# Altium PCB PCB2.PcbDoc (part 2 of 3)
Units mm, origin at the board's own origin, x right, y up, seen from the top; angles counter-clockwise.
Board outline 130.78 x 147.07 mm, 2 copper layers (Top Layer, Bottom Layer), stack 1.571 mm thick; 184 components, 114 nets, 619 pads, 1163 vias.
Unrouted connection lines stored in the file: 1.
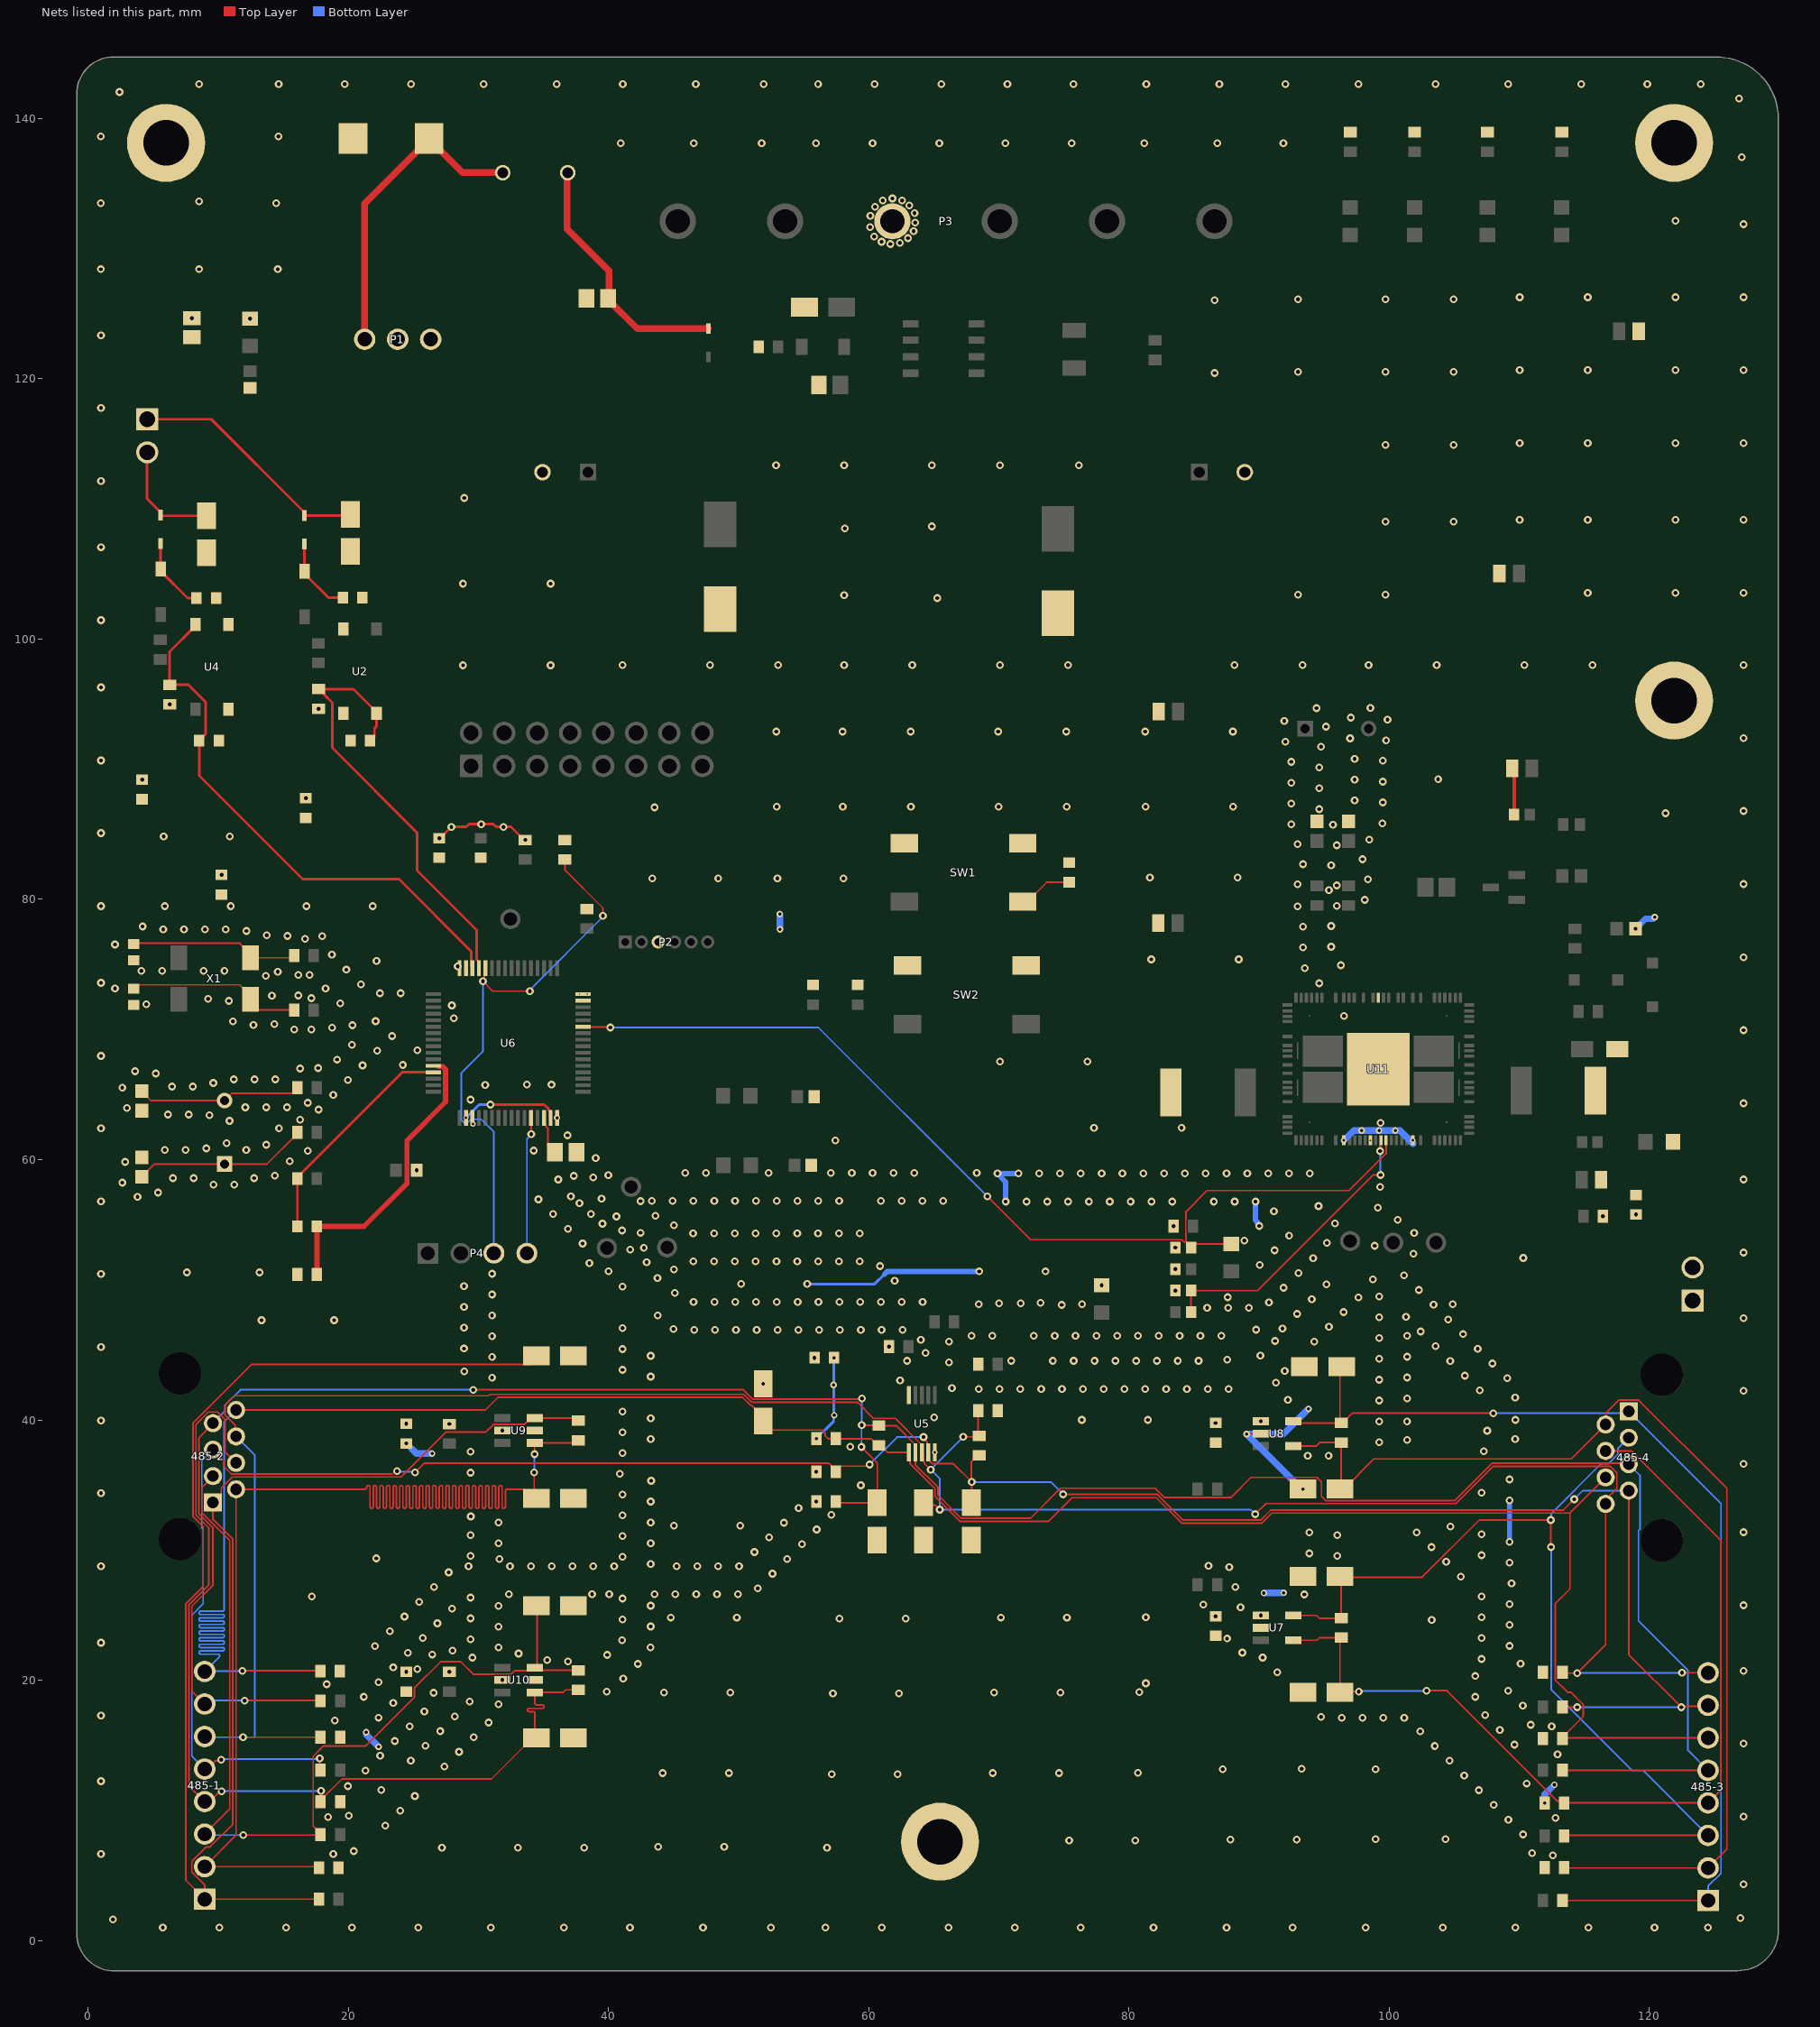
[diagram p2: the nets of this part, all layers, seen from the top]

## Part data (continued)
SW1 SW2: library part CMP-03402-000005-1, "SWITCH TACTILE SPST-NO 0.05A 24V", Contact Current Rating=50mA, Contact Resistance=100mΩ, Manufacturer="TE Connectivity", Manufacturer Part Number=1571563-9, Operating Force=160gf, Package=SMT_SW_6MM0_6MM0, Temperature="-35°C to +85°C", Temperature Range High=+85°C, Temperature Range Low=-35°C, Voltage Rating Dc=24V, Automotive=No, Category=Switch, ComponentLink2Description=Datasheet, ComponentLink2URL=https://www.te.com/commerce/DocumentDelivery/DDEController?Action=showdoc&DocId=Customer+Drawing%7F2-1437565-7%7FV%7Fpdf%7FEnglish%7FENG_CD_2-1437565-7_V.pdf%7F1571563-9, Device Class L1=Electromechanical, Device Class L2=Switches, Device Class L3="Pushbutton Switches", Digikey Description="SWITCH TACTILE SPST-NO 0.05A 24V", Electromechanical Life=100000Cycles, Height=9.75mm, Lead Free=Yes, Mount="Surface Mount", Mouser Description="Tactile Switches SPST OFF(ON) RND SMT MINI PB TACT SWITCH", Octopart=https://octopart.com/1571563-9-te+connectivity-41253969, RoHS=TRUE, Standoff Height=0.05mm, Throw Configuration=SPST-NO
TP1 TP2 TP3 TP4 TP5 TP6 TP7: library part CMP-2000-05182-1, "Test Point, White, 1-Pin THD, RoHS, Bulk", Color=White, Manufacturer=KeystoneElectronics, Brand=KeystoneElectronics, Contact Material=PhosphorBronze, Datasheet URL=https://ciiva.com/datasheet-click-2917627?src=ciiva&sig=bd195616, Datasheet Version="Rev. G, 12/2008", Length=7.62mm, Manufacturer URL=http://www.keyelco.com/, Material=Nylon, Mounting Hole Size=1mm, Outside Diameter=2.54mm, Packaging=Bulk, Plating=Silver, Product=TestPoints, Product Category=CircuitBoardHardware-PCB, RoHS=True, Type=Miniature
U1 U3: "Diode", Manufacturer_Name="ON Semiconductor", Mouser Part Number=863-NSI50010YT1G, Arrow Part Number=NSI50010YT1G, Arrow Price/Stock=https://www.arrow.com/en/products/nsi50010yt1g/on-semiconductor, Datasheet Link=http://www.onsemi.com/pub/Collateral/NSI50010Y-D.PDF, Height=1.35mm, Manufacturer_Part_Number=NSI50010YT1G, Mouser Price/Stock=https://www.mouser.co.uk/ProductDetail/ON-Semiconductor/NSI50010YT1G?qs=dubiLKbpNDpeXNVeIAV4bg%3D%3D
U2 U4: library part CMP-2000-07401-1, "Low Input Current, Phototransistor Output, 80 V, 170 mW, -55 to 110 degC, 4-Pin SOP, RoHS, Tape and Reel", Current - DC Forward (If) (Max)=60mA, Current - Output / Channel=50mA, Current Transfer Ratio (Max)=200%@1mA, Current Transfer Ratio (Min)=100%@1mA, Manufacturer=Vishay, Operating temperature=-55°C~110°C, Package / Case=4-SMD,GullWing, Package Description="4-Pin Small Outline Package Integrated Circuit, Body 4.4 x 3.85 mm, Pitch 2.54 mm", Package Reference=SOP-4, Standard Package=1, Supplier Device Package=4-SOP(2.54mm), Voltage - Forward (Vf) (Typ)=1.1V, Voltage - Isolation=3750Vrms, Voltage - Output (Max)=80V, Category=Isolators, Datasheet URL=http://download.siliconexpert.com/pdfs/2016/3/15/21/48/34/980/vsh_/manual/832624671428055vom618a.pdf, Datasheet Version="Rev. 1.4, 10/2013", Family=Optoisolators-Transistor,PhotovoltaicOutput, Input Type=DC, Manufacturer URL=http://www.vishay.com/, Mounting Technology=SurfaceMount, Mounting Type=SurfaceMount, Number of Channels=1, Online Catalog=VOM617A,VOM618ASeries, Other Names=VOM618A-3CT, Output Type=Transistor, Packaging=CutTape(CT), Rise / Fall Time (Typ)=5µs,4µs, Series=-, Turn On / Turn Off Time (Typ)=7µs,6µs, Vce Saturation (Max)=400mV
U5: library part SN65HVD70DGS, "Integrated Circuit", Manufacturer_Name="Texas Instruments", Mouser Part Number=595-SN65HVD70DGS, Arrow Part Number=SN65HVD70DGS, Arrow Price/Stock=https://www.arrow.com/en/products/sn65hvd70dgs/texas-instruments, Datasheet Link=http://www.ti.com/lit/gpn/SN65HVD70, Height=1.1mm, Manufacturer_Part_Number=SN65HVD70DGS, Mouser Price/Stock=https://www.mouser.co.uk/ProductDetail/Texas-Instruments/SN65HVD70DGS?qs=7z%252BmIopC6%2FJ5%2FtvmaE7XLg%3D%3D
U6: library part CMP-12105-000004-1, "IC MCU 32BIT 512KB FLASH 64LQFP", Ambient Temperature Range High=+85°C, Ambient Temperature Range Low=-40°C, Frequency=84MHz, Manufacturer=STMicroelectronics, Max Junction Temp=+105°C, Max Supply Voltage=3.6V, Min Supply Voltage=1.65V, Package=LQFP64-5W, Temperature="-40°C to +105°C", Automotive=No, Category=IC, ComponentLink2Description=Datasheet, ComponentLink2URL=https://www.st.com/resource/en/datasheet/stm32f401re.pdf, Core Architecture="ARM Cortex-M4", Data Bus Width=32bits, Device Class L1="Integrated Circuits (ICs)", Device Class L2="Embedded Processors and Controllers", Device Class L3=Microcontrollers, Digikey Description="IC MCU 32BIT 512KB FLASH 64LQFP", Height=1.6mm, Interface=I2C,SPI,USART,USB,IrDA,I2S,SMBus,Other, Ipc Land Pattern Name=QFP50P1200X1200X160-64, Lead Free=Yes, Manufacturer Part Number=STM32F401RET6, Memory Size=512KBytes, Memory Type=FLASH, Mouser Description="ARM Microcontrollers - MCU 16/32-BITS MICROS", Number Of A/D Converters=1, Number Of Adc Channels=12, Number Of Cores=1, Number Of I2C Channels=3, Number Of I/Os=50, Number Of Pwm Channels=23, Number Of Spi Channels=3, Number Of Timers/Counters=8, Number Of Uart Channels=3, Number Of Usb Channels=1, Octopart=https://octopart.com/stm32f401ret6-stmicroelectronics-34185993, Ram Size=96KBytes, RoHS=TRUE, Standoff Height=0.05mm, Temperature Range High=+105°C, Temperature Range Low=-40°C
U7 U8: library part MAX3280EAUK_V+T, "Integrated Circuit", Manufacturer_Name="Maxim Integrated", Manufacturer_Part_Number=MAX3280EAUK/V+T, Mouser Part Number=700-MAX3280EAUK/V+T, Datasheet Link=https://datasheets.maximintegrated.com/en/ds/MAX3280E-MAX3284E.pdf, Height=1.45mm, Mouser Price/Stock=https://www.mouser.co.uk/ProductDetail/Maxim-Integrated/MAX3280EAUK-V%2bT?qs=0JU57JYmZjvEM6QBFAG%2FBw%3D%3D
U9 U10: library part MAX3293AUT+T, "Integrated Circuit", Manufacturer_Name="Maxim Integrated", Mouser Part Number=700-MAX3293AUTT, Datasheet Link=https://datasheets.maximintegrated.com/en/ds/MAX3293-MAX3295.pdf, Height=1.45mm, Manufacturer_Part_Number=MAX3293AUT+T, Mouser Price/Stock=https://www.mouser.co.uk/ProductDetail/Maxim-Integrated/MAX3293AUT%2bT?qs=CDqwynd4ZNpM6TG1t4AcuA%3D%3D
X1: library part CMP-2000-05036-1, "Low Frequency Crystal, 32.768 KHz, 6 pF, +/- 20 ppm, -40 to 85 degC, 4-Pin SMD, RoHS, Tape and Reel", Case Height=2.5mm, Case Length=8mm, Case Width=3.8mm, Frequency=32.768kHz, Load Capacitance=6pF, Manufacturer=Abracon, Operating Temperature Range=-40Cto+85C, Package / Case=8mmx3.8mm, Package Description="4-Pin Surface Mount Device, Body 8 x 3.8 mm, Pitch 5.5 mm", Package Reference=ABS25, Tolerance=20PPM, Brand=ABRACON, Datasheet URL=https://datasheet.ciiva.com/854/abs25-854528.pdf, Datasheet Version=Jun-17, Dimensions=3.8mmWx8mmLx2.5mmH, ESR=50kOhms, Factory Pack Quantity=3000, Manufacturer URL=http://www.abracon.com/, Mounting Style=SMD/SMT, Packaging=Reel, Product Category=Crystals, RoHS=Details, Series=ABS25, Termination Style=SMD/SMT, Type=LowFrequencyCrystal
X2 X3: library part CMP-1749-00003-1, "Resistance Weld Thru-Hole Crystal, 16 MHz, -20 to 70 degC, 2-Pin THD, RoHS, Bulk", Case\Package=Axial, Max Operating Temperature="155 degC", Min Operating Temperature="-55 degC", Package Quantity=200, Power Rating="250 mW", Resistance="221 kohm", Tolerance=1%, Voltage Rating="250 V", ComponentLink1Description="Manufacturer URL", ComponentLink1URL=http://www.foxonline.com/, ComponentLink2Description=Datasheet, ComponentLink2URL=http://www.foxonline.com/pdfs/hc49slf.pdf, DatasheetVersion=Mar-15, Length="0.248 inch", Mount="Through Hole", PackageDescription="2-Pin Through Hole Device, Body 11.35 x 4.65 mm", PackageReference=FOXSLF160-20, Packaging=Bulk, RoHSCompliant=true

## Free pads (board coordinates)
  round 6 hole 3.5: FX(5.994,138.125) FX(65.481,7.595) FX(121.895,95.272) FX(121.895,138.125)

## Via types
v1: diameter 0.6, hole 0.3, Top Layer to Bottom Layer, tented both sides, 1131 vias
v2: diameter 0.5, hole 0.25, Top Layer to Bottom Layer, tented both sides, 24 vias
v3: diameter 0.4, hole 0.2, Top Layer to Bottom Layer, tented both sides, 5 vias
v4: diameter 0.2, hole 0.1, Top Layer to Bottom Layer, tented both sides, 2 vias
v5: diameter 0.3, hole 0.125, Top Layer to Bottom Layer, tented both sides, 1 vias

## Nets (pads, with @x,y where several pads share a name; then routed paths per layer and width w, separated by ;. In a path a pad name is that pad's centre, name@x,y a point inside that pad or via, vN(x,y) a via of type N, cw(c..) or ccw(c..) an arc to the next point about the centre after c; other vN are vias at no path point)
+3.3V: C6.2 C8.1 C9.2 C16.2 C17.2 C19.1 C20.2 C21.2 C22.2 C24.2 C39.2 D7.2 D29.2 FB1.1 P1.3 P7.1 R2.2 R4.2 R7.1 R11.2 R12.2 R25.1 R26.1 R28.2 R37.1 R41.2 R45.1 R46.1 R47.1 U5.10 U6.19 U6.32 U6.48 U6.64 U7.1 U8.1 U9.2 U10.2 U11.13 | length 7.6
  Top Layer w0.203: v1(27,84.697) 27.05,84.697 v1(27.926,85.573) 29.07,85.573 29.273,85.776 31.154,85.776 31.358,85.573 32.502,85.573 33.504,84.57 v1(33.604,84.57)
  other v1: 31.846,20.015 24.46,20.638 27.762,20.638 86.665,24.905 90.134,24.978 55.968,33.731 55.968,36.017 31.846,39.192 24.46,39.7 27.762,39.688 86.665,39.764 90.134,39.898 55.829,44.78 61.556,45.644 83.576,49.936 77.902,50.351 83.576,51.587 83.576,53.238 83.426,54.889 116.422,55.651 118.974,55.79 25.26,59.182 28.416,74.845 10.262,81.878 31.93,85.573 30.214,85.776 16.739,87.77 4.166,89.193 17.729,94.652 6.274,94.983 12.446,124.621 7.976,124.652
  other v2: 36.045,63.216
  other v3: 65.084,37.5 29.595,62.738
  other v4: 37.77,72.72 38.379,72.72
  other v5: 98.562,61.479
AGND: C23.2 R19.2 U6.12 | length 22.6
  Top Layer w0.4: R19.2@17.59,51.181 C23.2@17.59,54.864 21.209,54.864 24.51,58.165 24.51,61.455 27.484,64.429 27.484,66.952 27.269,67.166 U6.12@26.945,67.166
AVDD: C23.1 R21.2 U6.13 | length 17.6
  Top Layer w0.203: C23.1@16.09,54.864 16.09,58.647 24.159,66.716 U6.13@26.545,66.716
BOOT0: P4.3 R18.2 U6.60 | length 42.2
  Top Layer w0.127: U6.60@30.545,74.716 30.545,74.266 30.459,74.179 30.459,73.932 30.356,73.83 v1(30.356,73.702) 31.109,72.949 v1(33.96,72.949) ; R18.2@36.652,83.07 36.652,82.261 39.573,79.34 v1(39.573,78.74)
  Bottom Layer w0.127: v1(30.356,73.702) 30.356,68.322 28.682,66.648 28.682,63.065 28.895,62.852 29.196,62.852 29.445,63.101 30.213,63.101 31.191,62.123 P4.3@31.191,53.061 ; v1(33.96,72.949) 33.96,73.038 39.573,78.651 v1(39.573,78.74)
BOOT1: P4.4 U6.28 | length 10.3
  Top Layer w0.127: U6.28@34.045,63.216 34.053,63.208 34.053,61.959 v1(34.061,61.951)
  Bottom Layer w0.127: P4.4@33.731,53.061 33.731,61.587 34.061,61.917 v1(34.061,61.951)
BUSY: R47.2 R48.2 U11.15 | length 22.6
  Top Layer w0.127: R48.2@84.776,48.285 R47.2@84.776,49.936 89.877,49.936 98.774,58.833 99.332,58.833 v1(99.339,58.826) ; v1(99.298,60.655) 99.33,60.687 99.33,61.448 U11.15@99.362,61.479
  Bottom Layer w0.127: v1(99.298,60.655) 99.319,60.635 99.319,58.847 v1(99.339,58.826)
FLAG: D28.1 R45.2 U6.43 U11.16 | length 77.7
  Top Layer w0.127: U6.43@38.045,70.216 38.076,70.185 40.101,70.185 v1(40.132,70.155) ; v1(69.113,57.175) 72.437,53.852 84.043,53.852 84.218,53.677 R45.2@84.387,53.677 ; R45.2@84.538,53.526 D28.1@87.859,53.526 ; R45.2@84.776,53.238 84.513,53.501 84.513,53.551 R45.2@84.387,53.677 ; U11.16@99.762,61.479 99.762,60.463 96.923,57.624 86.001,57.624 84.387,56.01 84.387,55.482 84.362,55.457 84.362,54.322 84.387,54.297 R45.2@84.387,53.677
  Bottom Layer w0.127: v1(40.132,70.155) 56.134,70.155 v1(69.113,57.175)
GND: C1.1 C2.1 C3.1 C4.1 C5.2 C6.1 C7.2 C8.2 C9.1 C10.1 C11.2 C12.2 C13.1 C14.1 C15.2 C16.1 C17.1 C18.1 C19.2 C20.1 C21.1 C22.1 C24.1 C25.2 C26.2 C27.2 C28.2 C29.2 C30.2 C31.2 C32.2 C33.1 C36.1 C37.1 C38.1 C39.1 C40.1 C41.2 C42.1 C43.1 C44.2 D1.1 D3.1 D5.2 D8.1 D9.1 D10.1 D11.1 D14.1 D15.1 D16.1 D17.1 D18.1 D19.1 D27.1 D30.1 D31.1 P1.2 P2.3 P3.4 P7.2 pad.FX R5.1 R6.2 R10.1 R13.1 R18.1 R19.1 R20.2 R22.2 R23.1 R29.2 R30.2 R31.2 R32.2 R34.1 R50.1 R57.2 R61.1 R62.2 R64.1 R65.1 R66.1 R67.1 R68.1 R69.1 R70.1 SW1.1 SW1.2 SW2.1 SW2.2 U2.2 U2.3 U4.2 U4.3 U5.5 U6.18 U6.31 U6.47 U6.63 U7.2 U8.2 U9.5 U10.5 U11.8 U11.21 U11.59 U11.EPAD9 | length 69.9
  Top Layer w0.127: v1@8.534,128.46 v1@8.572,128.422 ; v1@14.541,128.422 v1@14.58,128.384 ; v2(89.052,38.913) 89.088,38.948 U8.2@90.134,38.948
  Top Layer w0.203: v1(30.917,64.229) 35.068,64.229 35.397,63.899 35.397,63.815 35.497,63.714 35.497,63.264 U6.31@35.545,63.216
  Top Layer w0.3: C33.1@109.461,90.068 109.611,89.918 R34.1@109.611,86.512
  Bottom Layer w0.203: v3(29.045,63.216) 30.058,64.229 v1(30.917,64.229) ; v2(53.162,78.867) v2@53.175,78.854 ; v2@53.175,77.711 v2(53.188,77.699) ; v1(55.27,50.447) 60.455,50.447 61.214,51.206 ; v2(55.968,38.557) 57.296,39.885 57.296,40.304 v2(57.353,40.361) 57.328,40.386 57.328,42.672 v2(57.302,42.697) 57.316,42.711 57.316,44.767 v2(57.329,44.78) ; v2(90.373,26.695) v2@90.386,26.708 ; v2@91.885,26.708 v2(91.897,26.721)
  Bottom Layer w0.4: 61.214,51.206 61.42,51.412 v1(68.504,51.412) ; v1(70.526,56.782) 70.526,58.291 69.899,58.918 v1(69.899,58.937) v1(71.499,58.937) ; v1(89.726,56.782) 89.726,55.358 89.865,55.22 89.865,55.112 90.013,54.964 v1(90.013,54.91) ; v1(109.256,30.627) v1(109.256,33.827)
  Bottom Layer w0.508: v2(21.373,16.005) 21.373,15.838 v2(22.327,14.884) ; v2(24.46,38.2) 25.246,37.414 v2(26.441,37.414) ; v2@53.175,77.711 v2@53.175,78.854 ; v2(89.052,38.913) v2@89.116,38.913 ; v2@90.386,26.708 v2@91.885,26.708 ; v2(93.368,34.696) 93.311,34.753 93.212,34.753 89.116,38.849 v2@89.116,38.913 ; v2(93.802,40.843) 91.872,38.913 v2@89.116,38.913 ; v3(96.512,61.479) 97.275,62.243 100.825,62.243 101.829,61.239 ; v2(111.95,10.566) 111.95,11.213 v2(112.7,11.963) ; v2(118.937,77.749) 119.699,78.511 120.294,78.511 v2(120.407,78.624)
  other v1: 5.74,1 10.084,1 15.215,1 20.295,1 25.375,1 30.963,1 36.576,1 41.656,1 47.269,1 52.486,1 56.667,1 61.011,1 66.142,1 71.222,1 76.302,1 81.89,1 87.503,1 92.583,1 98.196,1 104.115,1 109.703,1 115.316,1 120.396,1 124.511,1 1.905,1.626 127,1.727 127.229,4.318 112.567,6.546 18.844,6.636 1,6.655 110.975,6.707 20.427,6.873 27.202,7.123 33.044,7.123 38.124,7.123 56.793,7.123 43.814,7.199 48.894,7.199 75.412,7.682 80.492,7.682 87.807,7.758 92.887,7.758 98.955,7.78 104.339,7.78 110.297,8.156 22.855,8.835 109.166,9.287 112.782,9.43 18.451,9.492 127.229,9.525 20.048,9.595 23.986,9.966 108.034,10.418 25.118,11.097 22.54,11.567 106.903,11.55 19.968,11.861 110.578,12.064 1,12.243 105.771,12.681 57.149,12.787 62.229,12.787 44.17,12.863 49.25,12.863 69.544,12.863 74.624,12.863 80.692,12.886 21.317,13.069 87.197,13.168 98.955,13.165 93.265,13.191 27.381,13.36 24.803,13.83 104.64,13.813 22.448,14.201 112.942,14.311 28.512,14.491 103.509,14.944 25.934,14.961 109.636,15.051 127.229,15.138 23.58,15.332 29.643,15.623 102.377,16.075 27.066,16.092 108.505,16.182 24.711,16.463 112.486,16.459 110.891,16.58 30.775,16.754 18.971,16.906 22.325,17.125 96.357,17.11 97.957,17.11 99.557,17.11 101.157,17.11 94.758,17.181 28.197,17.224 1,17.275 107.374,17.314 25.843,17.595 110.275,18.057 31.557,18.15 23.457,18.256 29.328,18.355 21.197,18.72 106.619,18.725 57.251,18.985 62.331,18.985 26.547,19.031 44.271,19.061 49.351,19.061 69.646,19.061 74.726,19.061 80.794,19.083 39.876,19.127 109.143,19.188 18.346,19.698 81.303,19.761 22.329,19.852 41.128,20.123 106.619,20.325 91.406,20.607 127.229,20.726 25.317,20.847 23.46,20.983 42.259,21.255 110.098,21.281 36.876,21.441 35.28,21.556 107.106,21.639 29.528,21.742 90.275,21.738 39.906,21.949 26.45,21.977 33.088,22.052 24.591,22.114 88.721,22.118 28.021,22.279 31.557,22.518 43.227,22.529 22.062,22.632 109.256,22.642 1,22.889 41.037,23.08 29.403,23.15 87.543,23.201 25.723,23.246 107.101,23.239 23.193,23.763 31.557,24.118 43.241,24.129 109.256,24.242 26.854,24.377 103.274,24.638 41.087,24.68 29.403,24.75 57.76,24.742 62.84,24.742 44.78,24.819 49.86,24.819 70.155,24.819 75.235,24.819 81.303,24.841 107.101,24.839 24.324,24.895 27.985,25.509 88.572,25.603 31.557,25.718 43.241,25.729 127.229,25.759 85.709,25.823 109.256,25.842 25.456,26.026 41.087,26.28 29.403,26.35 17.196,26.441 107.101,26.439 93.474,26.596 32.341,26.609 38.741,26.609 40.056,26.619 43.541,26.609 45.141,26.609 46.741,26.609 48.341,26.609 49.941,26.609 51.476,27.06 26.587,27.158 88.188,27.156 109.409,27.434 105.514,27.964 52.607,28.191 27.718,28.289 87.711,28.683 1,28.753 29.247,28.763 32.434,28.763 34.034,28.763 35.634,28.763 37.234,28.763 38.834,28.763 40.434,28.763 45.234,28.763 46.834,28.763 48.434,28.763 50.034,28.763 86.116,28.803 43.241,28.929 109.256,29.027 104.382,29.095 31.623,29.312 53.738,29.322 22.149,29.362 41.087,29.48 29.403,29.55 96.023,29.544 107.101,29.608 93.868,29.746 51.213,29.844 103.251,30.226 54.87,30.454 31.557,30.518 43.241,30.529 52.345,30.976 41.087,31.08 29.403,31.15 96.023,31.144 107.101,31.208 93.868,31.346 102.12,31.358 127.229,31.372 56.001,31.585 104.717,31.807 45.034,31.88 50.114,31.88 31.557,32.118 53.476,32.107 43.241,32.129 29.413,32.588 41.087,32.68 57.133,32.716 54.607,33.239 43.241,33.729 41.087,34.28 1,34.366 107.101,34.408 59.395,34.979 43.278,35.328 109.256,35.427 40.866,35.864 29.403,35.95 127.229,36.627 95.341,37.239 93.741,37.258 41.087,37.449 29.403,37.55 107.266,37.599 58.572,37.948 99.227,38.291 101.382,38.457 43.241,38.528 109.688,38.525 41.087,39.049 107.533,39.177 101.371,39.878 99.227,39.891 1,39.954 76.378,40.005 81.458,40.005 109.703,40.005 43.241,40.128 65.021,40.192 41.087,40.649 99.227,41.491 92.22,41.543 101.382,41.657 109.688,41.725 127.229,42.24 106.956,42.269 68.454,42.388 70.054,42.388 71.654,42.388 73.254,42.388 74.854,42.388 76.454,42.388 78.054,42.388 79.654,42.388 81.254,42.388 82.854,42.388 84.454,42.388 86.054,42.388 87.654,42.388 66.396,42.443 91.306,42.857 62.406,43.038 99.227,43.091 109.072,43.201 31.051,43.236 101.382,43.257 43.241,43.328 105.825,43.401 28.905,43.739 91.972,43.763 41.087,43.849 107.94,44.332 66.162,44.423 104.693,44.532 62.954,44.541 70.954,44.543 74.154,44.543 75.754,44.543 77.354,44.543 78.954,44.543 80.554,44.543 82.154,44.543 83.754,44.543 85.354,44.543 87.546,44.637 99.227,44.691 31.051,44.836 101.382,44.857 43.241,44.928 90.103,44.942 64.364,45.161 41.087,45.449 106.809,45.464 28.896,45.486 1,45.596 103.562,45.663 66.162,46.023 94.235,46.026 91.235,46.073 64.007,46.156 99.227,46.291 31.051,46.436 77.494,46.461 79.094,46.461 80.694,46.461 82.294,46.461 83.894,46.461 85.494,46.461 87.094,46.461 101.382,46.457 67.894,46.471 69.494,46.471 72.694,46.471 74.294,46.471 75.894,46.471 105.677,46.595 102.431,46.795 46.594,46.908 48.194,46.908 49.794,46.908 51.394,46.908 52.994,46.908 54.594,46.908 56.194,46.908 57.794,46.908 59.394,46.908 60.994,46.908 62.594,46.908 89.764,46.939 44.996,46.979 91.795,47.015 41.087,47.049 28.896,47.086 95.366,47.157 13.332,47.66 18.92,47.66 104.546,47.727 127.229,47.828 99.227,47.891 101.299,47.926 31.051,48.036 43.791,48.031 92.926,48.147 96.497,48.289 86.014,48.615 87.614,48.615 89.214,48.615 28.896,48.686 74.828,48.844 103.415,48.858 68.453,48.895 76.403,48.895 104.874,48.895 70.028,48.971 71.679,48.971 73.203,48.997 90.76,49.027 46.54,49.063 48.14,49.063 49.74,49.063 51.34,49.063 52.94,49.063 54.54,49.063 56.14,49.063 57.74,49.063 59.34,49.063 60.94,49.063 62.54,49.063 64.14,49.063 94.058,49.278 87.594,49.437 97.629,49.42 99.227,49.491 31.051,49.636 45.102,49.766 102.283,49.989 91.891,50.159 41.087,50.249 28.896,50.286 95.189,50.409 50.19,50.447 61.998,50.689 98.755,50.8 43.764,50.902 101.152,51.121 1,51.21 31.051,51.236 93.023,51.29 7.591,51.343 13.179,51.343 73.584,51.412 40.009,51.431 45.036,51.563 60.867,51.82 90.052,51.901 38.53,52.042 42.929,52.111 46.509,52.186 48.109,52.186 49.709,52.186 51.309,52.186 52.909,52.186 54.509,52.186 56.109,52.186 57.709,52.186 59.309,52.186 94.154,52.421 110.309,52.451 101.876,52.779 127.229,52.861 91.183,53.033 41.66,53.086 42.719,53.237 98.889,53.383 38.012,53.556 95.221,53.614 88.882,53.779 92.315,54.164 46.505,54.341 48.105,54.341 49.705,54.341 51.305,54.341 52.905,54.341 54.505,54.341 56.105,54.341 57.705,54.341 59.305,54.341 42.469,54.381 101.921,54.378 41.047,54.564 36.88,54.687 45.032,54.966 39.533,55.082 95.83,55.093 100.664,55.368 40.608,55.633 43.603,55.685 35.749,55.818 38.659,55.829 91.145,56.042 99.129,56.304 94.577,56.427 37.769,56.646 1,56.798 72.126,56.782 73.726,56.782 75.326,56.782 76.926,56.782 78.526,56.782 80.126,56.782 81.726,56.782 83.326,56.782 86.526,56.782 88.126,56.782 42.471,56.817 43.327,56.835 44.927,56.835 46.527,56.835 48.127,56.835 49.727,56.835 51.327,56.835 52.927,56.835 54.527,56.835 56.127,56.835 57.727,56.835 60.927,56.835 62.527,56.835 64.127,56.835 65.727,56.835 34.618,56.95 39.472,56.998 3.806,57.152 37.109,57.175 5.373,57.473 99.303,57.895 11.244,58.075 9.644,58.087 2.632,58.239 36.139,58.476 127.229,58.474 6.523,58.586 8.123,58.586 12.76,58.586 38.837,58.623 37.338,58.75 14.348,58.776 39.986,58.801 73.099,58.937 74.699,58.937 76.299,58.937 77.899,58.937 79.499,58.937 81.099,58.937 82.699,58.937 84.299,58.937 85.899,58.937 87.499,58.937 89.099,58.937 90.699,58.937 92.299,58.937 93.899,58.937 45.9,58.989 47.5,58.989 52.3,58.989 57.1,58.989 58.7,58.989 60.3,58.989 61.9,58.989 63.5,58.989 68.3,58.989 2.85,59.824 15.499,59.888 39.014,60.122 16.886,60.685 34.251,60.699 5.902,60.74 7.502,60.74 12.155,60.74 9.096,60.871 13.704,61.14 10.645,61.272 57.429,61.471 36.848,61.871 1,62.411 14.682,62.407 77.312,62.451 84.043,62.451 99.35,62.835 10.872,62.979 16.305,63.079 9.333,63.416 6.134,63.466 7.734,63.466 17.71,63.846 3.001,63.971 12.089,64.018 13.689,64.018 15.289,64.018 127.229,64.338 16.891,64.364 29.4,64.609 18.841,64.977 2.632,65.528 6.446,65.62 8.046,65.62 30.528,65.744 33.728,65.769 35.616,65.761 9.622,65.898 19.972,66.109 11.198,66.173 12.798,66.173 14.398,66.173 5.199,66.623 3.608,66.795 16.307,67.005 17.689,67.041 21.104,67.24 24.189,67.278 70.079,67.541 76.81,67.541 19.151,67.69 1,67.974 22.235,68.371 25.32,68.41 20.283,68.822 23.366,69.503 127.229,69.952 15.854,69.992 17.158,69.992 18.751,70.139 20.32,70.333 12.715,70.355 14.314,70.424 11.139,70.632 22.1,70.639 28.128,70.869 96.534,71.04 27.965,71.857 4.483,71.93 19.383,72.021 10.82,72.2 9.227,72.35 17.163,72.406 14.137,72.592 16.159,72.615 22.436,72.793 24.036,72.793 2.072,73.159 18.252,73.153 20.985,73.467 94.617,73.552 1,73.587 13.658,74.118 16.164,74.183 17.028,74.183 14.585,74.437 4.088,74.505 5.688,74.505 8.888,74.505 10.488,74.505 19.854,74.598 93.523,74.72 96.278,74.939 22.174,75.263 81.712,75.39 88.443,75.39 127.229,75.54 18.745,75.752 93.385,76.314 95.54,76.358 2.072,76.539 16.688,76.962 17.997,77.166 15.338,77.188 13.74,77.255 12.171,77.569 5.777,77.705 7.377,77.705 8.977,77.705 10.577,77.705 93.385,77.914 4.191,77.92 95.54,77.958 92.954,79.454 1,79.477 5.893,79.477 10.973,79.477 16.789,79.477 21.869,79.477 95.971,79.499 98.115,79.961 95.367,80.709 95.971,81.073 92.954,81.159 127.229,81.182 98.371,81.54 43.358,81.613 48.438,81.613 52.984,81.613 58.064,81.613 81.61,81.689 88.341,81.689 95.54,82.614 93.385,82.699 97.953,83.084 95.971,84.155 92.954,84.24 98.478,84.596 5.817,84.839 10.897,84.839 1,85.09 95.678,85.728 92.469,85.765 99.475,85.847 121.234,86.614 127.229,86.795 94.624,86.932 43.536,87.074 52.934,87.125 58.014,87.125 63.246,87.125 69.977,87.125 75.209,87.125 81.28,87.125 88.011,87.125 92.469,87.365 99.504,87.447 97.349,87.606 94.624,88.532 92.469,88.965 99.504,89.047 97.349,89.206 103.763,89.243 94.624,90.132 92.469,90.565 99.504,90.647 1,90.678 97.349,90.806 94.759,91.726 92.035,92.105 99.766,92.225 97,92.368 127.229,92.383 52.908,92.888 57.988,92.888 63.221,92.888 69.952,92.888 75.184,92.888 81.255,92.888 87.986,92.888 95.155,93.276 91.938,93.702 99.88,93.821 97.06,93.966 94.408,94.691 98.557,94.722 1,96.292 28.821,97.988 35.552,97.988 41.072,97.996 47.803,97.996 53.035,97.996 58.115,97.996 63.348,97.996 70.079,97.996 75.311,97.996 88.113,97.996 93.345,97.996 98.425,97.996 103.657,97.996 110.388,97.996 115.621,97.996 127.229,97.996 1,101.448 65.278,103.149 58.115,103.378 92.989,103.407 99.72,103.407 115.265,103.559 121.996,103.559 127.229,103.559 28.821,104.262 35.552,104.262 1,107.061 58.166,108.509 64.846,108.661 99.72,109.02 104.953,109.02 110.033,109.172 115.265,109.172 121.996,109.172 127.229,109.172 28.923,110.841 1,112.141 52.883,113.363 58.115,113.363 64.846,113.363 70.079,113.363 76.149,113.363 99.72,114.91 104.953,114.91 110.033,115.062 115.265,115.062 121.996,115.062 127.229,115.062 1,117.754 86.589,120.446 92.989,120.523 99.72,120.523 104.953,120.523 110.033,120.675 115.265,120.675 121.996,120.675 127.229,120.675 1,123.342 86.589,126.034 92.989,126.111 99.72,126.111 104.953,126.111 110.033,126.263 115.265,126.263 121.996,126.263 127.229,126.263 0.991,128.422 8.534,128.422 14.58,128.422 61.671,130.353 62.382,130.454 60.985,130.531 63.017,130.81 60.427,130.937 63.449,131.343 60.096,131.648 127.229,131.877 63.576,132.004 121.996,132.131 60.122,132.512 63.525,132.74 60.477,133.223 63.119,133.325 0.991,133.502 14.453,133.502 8.534,133.629 61.087,133.706 62.56,133.706 61.824,133.858 127.102,137.033 40.945,138.1 46.558,138.1 51.775,138.1 55.956,138.1 60.3,138.1 65.43,138.1 70.51,138.1 75.59,138.1 81.178,138.1 86.792,138.1 91.872,138.1 0.991,138.633 14.63,138.633 126.898,141.529 2.413,142.037 8.534,142.647 14.656,142.647 19.736,142.647 24.816,142.647 30.404,142.647 36.017,142.647 41.097,142.647 46.711,142.647 51.927,142.647 56.109,142.647 60.452,142.647 65.583,142.647 70.663,142.647 75.743,142.647 81.331,142.647 86.944,142.647 92.024,142.647 97.638,142.647 103.556,142.647 109.144,142.647 114.757,142.647 119.837,142.647 123.952,142.647
  other v2: 51.892,42.776 97.879,62.243 99.225,62.243 100.47,62.243
  other v3: 101.812,61.479
IN1: D1.2 D2.2 P6.1 | length 18.8
  Top Layer w0.203: P6.1@4.547,116.891 9.474,116.891 16.637,109.728 D2.2@16.637,109.499 20.089,109.499 D1.2@20.168,109.578
IN2: D3.2 D4.2 P6.2 | length 8.8
  Top Layer w0.203: P6.2@4.547,114.351 4.547,110.769 5.563,109.753 D4.2@5.563,109.525 5.611,109.477 D3.2@9.119,109.477
Net485-1_1: 485-1.1 485-2.1 D14.2 R27.2 R52.2 U9.6 | length 139.4
  Top Layer w0.127: R52.2@17.741,3.175 485-1.1@8.966,3.175 ; D14.2@34.465,44.678 34.059,44.271 12.586,44.271 8.062,39.747 8.062,32.61 8.85,31.822 8.85,27.205 7.524,25.879 7.524,4.617 485-1.1@8.966,3.175 ; R27.2@37.668,39.942 37.468,40.142 34.021,40.142 33.535,39.656 31.153,39.656 30.557,39.059 27.501,39.059 24.057,35.615 11.109,35.615 10.233,34.739 10.233,34.286 485-2.1@9.601,33.655 9.601,32.355 11.124,30.832 11.124,8.934 9.376,7.186 9.08,7.186 7.978,6.084 7.978,5.266 8.966,4.277 485-1.1@8.966,3.175
Net485-1_2: 485-1.2 485-2.2 D15.2 R27.1 R65.2 U9.4 | length 138.8
  Top Layer w0.127: 485-1.2@8.966,5.675 485-1.2@8.968,5.675 ; R65.2@17.741,5.588 17.654,5.675 485-1.2@8.968,5.675 ; v1(34.29,35.966) 34.29,34.16 D15.2@34.465,33.985 34.165,33.985 33.479,34.671 32.404,34.671 32.207,34.671 ccw(c32.207,34.544) 32.08,34.544 32.08,33.338 cw(c31.953,33.338) 31.826,33.338 31.826,34.835 ccw(c31.699,34.835) 31.572,34.835 31.572,33.338 cw(c31.445,33.338) 31.318,33.338 31.318,34.835 ccw(c31.191,34.835) 31.064,34.835 31.064,33.338 cw(c30.937,33.338) 30.81,33.338 30.81,34.835 ccw(c30.683,34.835) 30.556,34.835 30.556,33.338 cw(c30.429,33.338) 30.302,33.338 30.302,34.835 ccw(c30.175,34.835) 30.048,34.835 30.048,33.338 cw(c29.921,33.338) 29.794,33.338 29.794,34.835 ccw(c29.667,34.835) 29.54,34.835 29.54,33.338 cw(c29.413,33.338) 29.286,33.338 29.286,34.835 ccw(c29.159,34.835) 29.032,34.835 29.032,33.338 cw(c28.905,33.338) 28.778,33.338 28.778,34.835 ccw(c28.651,34.835) 28.524,34.835 28.524,33.338 cw(c28.397,33.338) 28.27,33.338 28.27,34.835 ccw(c28.143,34.835) 28.016,34.835 28.016,33.338 cw(c27.889,33.338) 27.762,33.338 27.762,34.835 ccw(c27.635,34.835) 27.508,34.835 27.508,33.338 cw(c27.381,33.338) 27.254,33.338 27.254,34.835 ccw(c27.127,34.835) 27,34.835 27,33.338 cw(c26.873,33.338) 26.746,33.338 26.746,34.835 ccw(c26.619,34.835) 26.492,34.835 26.492,33.338 cw(c26.365,33.338) 26.238,33.338 26.238,34.835 ccw(c26.111,34.835) 25.984,34.835 25.984,33.338 cw(c25.857,33.338) 25.73,33.338 25.73,34.835 ccw(c25.603,34.835) 25.476,34.835 25.476,33.338 cw(c25.349,33.338) 25.222,33.338 25.222,34.835 ccw(c25.095,34.835) 24.968,34.835 24.968,33.338 cw(c24.841,33.338) 24.714,33.338 24.714,34.835 ccw(c24.587,34.835) 24.46,34.835 24.46,33.338 cw(c24.333,33.338) 24.206,33.338 24.206,34.835 ccw(c24.079,34.835) 23.952,34.835 23.952,33.338 cw(c23.825,33.338) 23.698,33.338 23.698,34.835 ccw(c23.571,34.835) 23.444,34.835 23.444,33.338 cw(c23.317,33.338) 23.19,33.338 23.19,34.835 ccw(c23.063,34.835) 22.936,34.835 22.936,33.338 cw(c22.809,33.338) 22.682,33.338 22.682,34.835 ccw(c22.555,34.835) 22.428,34.835 22.428,33.338 cw(c22.301,33.338) 22.174,33.338 22.174,34.835 ccw(c22.047,34.835) 21.92,34.835 21.92,33.338 cw(c21.793,33.338) 21.666,33.338 21.666,34.835 ccw(c21.539,34.835) 21.412,34.835 21.412,34.798 cw(c21.285,34.798) 21.285,34.671 21.222,34.671 485-2.2@11.379,34.671 11.379,8.088 8.968,5.677 485-1.2@8.968,5.675 ; v1(34.315,37.371) 34.315,38.211 U9.4@34.346,38.242 37.468,38.242 R27.1@37.668,38.442
  Bottom Layer w0.127: v1(34.29,35.966) 34.303,35.979 34.303,37.359 v1(34.315,37.371)
Net485-1_3: 485-1.3 485-2.3 D16.2 R38.2 R54.2 U10.6 | length 74.2
  Top Layer w0.127: 485-1.3@8.966,8.175 10.897,10.105 10.897,30.738 8.743,32.892 8.743,34.776 485-2.3@9.601,35.687 ; v1(11.938,8.103) 17.843,8.103 R54.2@17.868,8.128 17.868,8.228 17.305,8.792 17.305,14.15 18.112,14.957 21.361,14.957 25.074,18.67 25.074,19.402 27.1,21.429 28.639,21.429 29.602,20.466 31.141,20.466 31.153,20.479 32.516,20.479 32.766,20.729 34.11,20.729 U10.6@34.346,20.965 U10.6@34.446,20.865 ; D16.2@34.465,25.73 34.493,25.73 34.519,25.756 34.519,20.938 U10.6@34.446,20.865 ; R38.2@37.668,20.765 34.546,20.765 U10.6@34.446,20.865
  Bottom Layer w0.127: 485-1.3@9.002,8.103 v1(11.938,8.103)
Net485-1_4: 485-1.4 485-2.4 D17.2 R38.1 R66.2 U10.4 | length 74.9
  Top Layer w0.127: v1(10.262,11.455) 10.134,11.455 9.353,10.675 485-1.4@8.966,10.675 7.751,11.891 7.751,25.785 9.271,27.305 9.271,31.722 8.289,32.704 8.289,39.653 9.246,40.609 9.957,40.609 10.521,40.046 10.521,37.561 485-2.4@11.379,36.703 ; R66.2@17.868,10.668 17.907,10.707 R66.2@17.907,10.807 ; v1(17.907,11.506) R66.2@17.907,10.807 ; R38.1@37.668,19.265 36.715,19.265 36.515,19.065 U10.4@34.346,19.065 34.346,18.551 34.346,18.223 ccw(c34.473,18.223) 34.473,18.096 34.928,18.096 cw(c34.928,17.969) 34.928,17.842 33.903,17.842 ccw(c33.903,17.715) 33.903,17.588 34.219,17.588 cw(c34.219,17.461) 34.346,17.461 34.346,17.397 34.346,15.689 D17.2@34.465,15.57 34.165,15.57 31.013,12.417 19.518,12.417 R66.2@17.907,10.807
  Bottom Layer w0.127: v1(10.262,11.455) 10.287,11.481 17.882,11.481 v1(17.907,11.506)
Net485-1_5: 485-1.5 485-2.5 485-3.7 485-4.7 D8.2 R8.2 R11.1 R49.2 R55.2 U5.9 | length 185.1
  Top Layer w0.127: 485-1.5@8.966,13.175 9.146,13.175 9.774,13.803 10.146,13.803 v1(10.236,13.894) ; 485-2.5@9.601,37.719 10.433,36.887 10.433,36.435 11.024,35.845 23.398,35.845 23.631,36.078 v1(23.739,36.078) ; v1(17.805,13.995) 17.805,13.144 R55.2@17.868,13.081 ; v1(25.146,35.966) 25.86,36.681 56.905,36.681 R11.1@57.468,36.117 ; R11.1@57.468,36.017 R11.1@57.468,36.117 ; v1@59.821,36.454 57.805,36.454 R11.1@57.468,36.117 ; v1(64.211,38.684) 64.211,38.564 64.498,38.277 64.498,37.587 64.671,37.414 64.671,36.864 64.771,36.764 64.771,36.732 64.87,36.633 66.516,36.633 v1(67.92,35.23) 67.92,33.658 D8.2@67.894,33.632 ; v1@67.894,35.255 67.894,36.79 68.378,37.274 R8.2@68.478,37.274 ; v1(74.93,34.29) 82.159,34.29 84.147,32.303 90.131,32.303 90.9,33.071 113.386,33.071 v1(114.224,33.909) ; R49.2@113.323,17.932 v1(114.452,17.932) ; 485-4.7@118.415,34.569 118.415,21.971 v1(122.453,17.932) 122.524,18.003 124.44,18.003 485-3.7@124.511,18.073
  Bottom Layer w0.127: 485-1.5@8.966,13.175 7.978,14.163 7.978,24.997 8.85,25.869 8.85,31.602 8.743,31.709 8.743,36.861 485-2.5@9.601,37.719 ; v1(10.236,13.894) 10.287,13.945 17.755,13.945 v1(17.805,13.995) ; v1(23.739,36.078) 23.8,36.017 25.095,36.017 v1(25.146,35.966) ; v1(60.071,36.576) 62.179,38.684 v1(64.211,38.684) ; v1(67.92,35.23) 73.99,35.23 v1(74.93,34.29) ; v1(114.224,33.909) 114.884,34.569 485-4.7@118.415,34.569 ; v1(114.452,17.932) v1(122.453,17.932)
Net485-1_6: 485-1.6 485-2.6 485-3.8 485-4.8 D9.2 R8.1 R13.2 R50.2 R67.2 U5.8 | length 187.4
  Top Layer w0.127: 485-1.6@8.966,15.675 485-1.6@8.993,15.648 ; 485-2.6@11.379,38.735 11.312,38.803 11.312,39.62 10.521,40.411 10.521,41.123 11.251,41.853 30.77,41.853 30.882,41.965 50.401,41.965 51.005,41.361 59.127,41.361 60.363,40.125 62.041,40.125 63.998,38.168 63.998,37.587 64.171,37.414 64.171,36.864 64.271,36.764 64.271,36.669 v1(64.77,36.17) ; v1(11.913,15.621) R67.2@17.868,15.621 ; D9.2@64.211,33.632 64.392,33.451 65.117,33.451 v1(65.464,33.105) ; v1(67.259,38.71) 68.414,38.71 R8.1@68.478,38.774 68.414,38.838 R13.2@68.414,40.716 ; v1(89.713,32.766) 90.528,33.581 105.141,33.581 108.004,36.444 116.992,36.444 117.495,35.941 117.495,34.733 116.637,33.874 116.637,22.733 v1(114.452,20.549) 113.374,20.549 R50.2@113.323,20.599 ; v1(122.504,20.574) 485-3.8@124.511,20.573
  Bottom Layer w0.127: 485-1.6@8.966,15.621 12.752,15.621 12.826,15.695 12.826,37.288 485-2.6@11.379,38.735 ; v1(65.464,33.105) 65.464,35.475 v1(64.77,36.17) 64.77,36.195 67.259,38.684 v1(67.259,38.71) ; v1@65.481,33.105 89.358,33.105 89.696,32.766 v1(89.713,32.766) ; v1(114.452,20.549) 114.465,20.561 122.492,20.561 v1(122.504,20.574)
Net485-1_7: 485-1.7 485-2.7 485-3.5 485-4.5 D10.2 R9.2 R12.1 R39.2 R59.2 U5.7 | length 201
  Top Layer w0.127: 485-1.7@8.966,18.175 7.978,19.164 7.978,25.691 9.601,27.314 9.601,31.713 8.516,32.798 8.516,38.613 485-2.7@9.601,39.751 ; v1(12.04,18.44) 17.843,18.44 R59.2@17.868,18.415 17.882,18.415 R59.2@17.932,18.466 ; v1(29.616,42.316) 50.371,42.316 51.099,41.588 59.418,41.588 v1(59.487,41.656) ; R12.1@57.468,33.731 57.567,33.632 D10.2@60.655,33.632 60.655,36.703 v1(59.436,37.922) ; v1(59.461,39.599) 60.745,39.599 R9.2@60.782,39.561 62.104,39.561 63.498,38.168 63.498,37.587 U5.7@63.584,37.5 63.584,36.561 65.327,34.819 65.327,34.218 67.101,32.444 72.428,32.444 74.738,34.754 82.017,34.754 82.737,34.033 87.823,34.033 89.375,35.585 94.461,35.585 94.793,35.253 94.793,34.14 95.125,33.808 105.047,33.808 107.91,36.671 118.345,36.671 485-4.5@118.415,36.601 ; R39.2@113.323,13.106 113.356,13.073 485-3.5@124.511,13.073
  Bottom Layer w0.127: 485-1.7@8.966,18.175 9.244,18.453 12.027,18.453 v1(12.04,18.44) ; 485-2.7@9.601,39.751 10.521,40.671 10.521,41.123 11.715,42.316 v1(29.616,42.316) ; v1(59.436,37.922) 59.449,37.935 59.449,39.586 59.474,39.611 59.474,41.643 v1(59.487,41.656) ; 485-4.5@118.415,36.601 119.273,35.743 119.273,31.607 119.166,31.5 119.166,24.567 122.968,20.766 122.968,14.616 485-3.5@124.511,13.073
Net485-1_8: 485-1.8 485-2.8 485-3.6 485-4.6 D11.2 R9.1 R10.2 R61.2 R70.2 U5.6 | length 199.5
  Top Layer w0.127: 485-2.8@11.379,40.767 30.528,40.767 31.5,41.738 50.307,41.738 50.911,41.134 50.985,41.134 51.892,40.226 D11.2@51.892,39.926 51.892,39.882 52.554,39.221 56.436,39.221 56.657,39 56.657,38.778 56.878,38.557 R10.2@57.468,38.557 60.186,38.557 60.682,38.061 R9.1@60.782,38.061 60.882,38.061 61.443,37.5 U5.6@63.084,37.5 63.171,37.414 63.171,36.654 65.1,34.725 65.1,34.124 67.007,32.217 73.833,32.217 75.648,34.032 82.097,34.032 84.053,32.076 90.225,32.076 90.994,32.844 113.896,32.844 ; v1(11.866,20.726) 17.678,20.726 17.704,20.752 17.755,20.701 R61.2@17.856,20.701 ; R70.2@113.323,15.519 R70.2@113.377,15.573 ; 485-4.6@116.637,35.585 113.896,32.844 ; 485-3.6@124.511,15.573 R70.2@113.377,15.573 ; R70.2@113.377,15.573 113.377,15.673 114.916,17.212 114.916,18.124 113.962,19.078 113.713,19.078 112.759,20.032 112.759,25.87 113.896,27.006 113.896,32.844
  Bottom Layer w0.127: 485-1.8@8.966,20.675 485-1.8@9.018,20.726 ; 485-2.8@11.379,40.767 10.46,39.847 10.46,26.056 10.46,25.433 cw(c10.333,25.433) 10.333,25.306 8.661,25.306 ccw(c8.661,25.179) 8.661,25.052 10.352,25.052 cw(c10.352,24.925) 10.352,24.798 8.661,24.798 ccw(c8.661,24.671) 8.661,24.544 10.352,24.544 cw(c10.352,24.417) 10.352,24.29 8.661,24.29 ccw(c8.661,24.163) 8.661,24.036 10.352,24.036 cw(c10.352,23.909) 10.352,23.782 8.661,23.782 ccw(c8.661,23.655) 8.661,23.528 10.352,23.528 cw(c10.352,23.401) 10.352,23.274 8.661,23.274 ccw(c8.661,23.147) 8.661,23.02 10.352,23.02 cw(c10.352,22.893) 10.352,22.766 8.661,22.766 ccw(c8.661,22.639) 8.661,22.512 10.352,22.512 cw(c10.352,22.385) 10.352,22.258 8.661,22.258 ccw(c8.661,22.131) 8.661,22.004 9.989,22.004 cw(c9.989,21.877) 10.079,21.787 9.978,21.687 485-1.8@9.018,20.726 ; v1(11.866,20.726) 11.841,20.701 9.043,20.701 485-1.8@9.018,20.726
Net485-3_1: 485-3.1 485-4.1 D31.2 R24.2 R58.1 U8.5 | length 82.8
  Top Layer w0.127: U8.5@92.634,39.898 92.768,39.764 R58.1@96.317,39.764 ; D31.2@96.345,44.094 96.215,43.965 96.215,39.866 R58.1@96.317,39.764 ; v1(108.001,40.513) 97.165,40.513 96.417,39.764 R58.1@96.317,39.764 ; R24.2@113.323,3.073 485-3.1@124.511,3.073
  Bottom Layer w0.127: v1(108.001,40.513) 117.958,40.513 118.11,40.665 485-4.1@118.415,40.665 125.499,33.581 125.499,5.164 124.511,4.175 485-3.1@124.511,3.073
Net485-3_2: 485-3.2 485-4.2 D30.2 R58.2 R68.2 U8.4 | length 84.2
  Top Layer w0.127: U8.4@92.634,37.998 94.405,37.998 94.671,38.264 R58.2@96.317,38.264 96.317,34.795 D30.2@96.218,34.696 96.518,34.696 98.823,37.002 113.989,37.002 485-4.2@116.637,39.649 116.663,39.676 116.663,40.535 117.652,41.524 119.178,41.524 125.953,34.748 125.953,7.016 485-3.2@124.511,5.573 113.49,5.573 R68.2@113.45,5.613 R68.2@113.45,5.713
Net485-3_3: 485-3.3 485-4.3 D19.2 R36.2 R53.1 U7.5 | length 75
  Top Layer w0.127: U7.5@92.634,24.978 94.432,24.978 94.644,24.766 R53.1@96.317,24.766 96.317,27.866 D19.2@96.267,27.916 ; D19.2@96.218,27.965 D19.2@96.267,27.916 ; v1(112.446,30.226) 112.433,30.239 112.433,32.296 v1(112.42,32.309) 106.932,32.309 102.539,27.916 D19.2@96.267,27.916 ; R36.2@113.436,7.976 113.534,8.073 485-3.3@124.511,8.073
  Bottom Layer w0.127: v1(112.42,32.309) 112.459,32.347 112.459,32.799 116.304,36.645 116.879,36.645 117.583,37.349 117.583,37.801 485-4.3@118.415,38.633 ; v1(112.446,30.226) 112.446,19.284 118.677,13.053 119.532,13.053 485-3.3@124.511,8.073
Net485-3_4: 485-3.4 485-4.4 D18.2 R53.2 R69.2 U7.4 | length 72.2
  Top Layer w0.127: U7.4@92.634,23.078 94.444,23.078 94.632,23.266 R53.2@96.317,23.266 96.218,23.167 D18.2@96.218,19.075 96.269,19.126 v1(97.663,19.126) ; v1(102.87,19.202) 104.445,19.202 112.934,10.714 113.303,10.714 R69.2@113.45,10.566 113.457,10.573 485-3.4@124.511,10.573 125.499,11.562 125.499,30.731 118.613,37.617 485-4.4@116.637,37.617
  Bottom Layer w0.127: v1(97.663,19.126) 97.701,19.164 102.832,19.164 v1(102.87,19.202)
NetC1_2: C1.2 D2.1 U1.2 | length 6
  Top Layer w0.203: D2.1@16.637,107.315 U1.2@16.637,105.204 16.637,105.029 18.491,103.175 C1.2@19.595,103.175
NetC2_2: C2.2 R2.1 U2.4 U6.61 | length 34.1
  Top Layer w0.203: R2.1@17.729,96.152 R2.1@17.829,96.152 ; C2.2@21.68,92.202 22.016,92.539 22.016,93.14 22.174,93.298 U2.4@22.174,94.286 22.174,94.386 20.408,96.152 R2.1@17.829,96.152 ; U6.61@30.045,74.716 30.045,75.166 29.897,75.315 29.897,75.399 29.87,75.426 29.87,77.644 25.298,82.216 25.298,85.115 18.771,91.643 18.771,95.111 18.166,95.716 18.166,95.816 R2.1@17.829,96.152
NetC3_2: C3.2 D4.1 U3.2 | length 5.8
  Top Layer w0.203: D4.1@5.563,107.34 5.563,105.407 U3.2@5.588,105.382 5.588,105.207 7.646,103.149 C3.2@8.343,103.149
NetC4_2: C4.2 R4.1 U4.4 U6.62 | length 42.5
  Top Layer w0.203: U4.4@8.255,101.116 8.255,101.016 6.274,99.035 R4.1@6.274,96.483 7.725,96.483 9.024,95.184 9.024,92.68 8.895,92.551 8.845,92.551 8.546,92.252 8.546,89.498 16.485,81.559 23.901,81.559 29.459,76.002 29.459,74.802 U6.62@29.545,74.716
NetC5_1: C5.1 D6.1 L1.1 | length 19.7
  Top Layer w0.508: L1.1@36.815,135.839 36.815,131.521 40.03,128.306 40.03,126.25 C5.1@39.968,126.187 39.968,126.086 42.203,123.85 D6.1@47.676,123.85
NetC7_1: C7.1 L1.2 P1.1 | length 24.4
  Top Layer w0.508: P1.1@21.26,123.038 21.26,133.449 C7.1@26.217,138.406 ; C7.1@26.217,138.688 C7.1@26.217,138.481 C7.1@26.217,138.406 ; L1.2@31.866,135.839 28.783,135.839 C7.1@26.217,138.406
NetC10_2: C10.2 U6.30 | length 3
  Top Layer w0.127: U6.30@35.045,63.216 35.045,62.766 35.212,62.599 35.212,62.516 35.351,62.377 35.351,61.118 C10.2@35.89,60.579
NetC11_1: C11.1 R14.2 X1.1 | length 13.1
  Top Layer w0.127: C11.1@3.505,76.571 3.562,76.628 11.665,76.628 12.478,75.814 X1.1@12.478,75.514 15.658,75.514 R14.2@15.836,75.692
NetC12_1: C12.1 R15.2 X1.4 | length 13.6
  Top Layer w0.127: C12.1@3.505,73.142 3.791,73.428 11.665,73.428 12.478,72.614 12.478,72.088 13.065,71.501 R15.2@15.848,71.501
NetC13_2: C13.2 R16.1 X2.2 | length 12.7
  Top Layer w0.127: C13.2@4.14,65.266 4.14,65.241 4.838,64.543 10.503,64.543 11.056,65.095 15.754,65.095 16.09,65.432 R16.1@16.09,65.532
NetC14_2: C14.2 R17.1 X2.1 | length 13.4
  Top Layer w0.127: C14.2@4.14,58.686 4.14,58.711 5.092,59.663 13.75,59.663 16.09,62.003 R17.1@16.09,62.103
NetC18_2: C18.2 SW1.4 | length 4.2
  Top Layer w0.127: SW1.4@71.835,79.817 72.185,79.817 73.685,81.317 C18.2@75.413,81.317